# Altium PCB BMS_V2.1_Adv.PcbDoc (part 4 of 4)
Units mil, origin at the board's own origin, x right, y up, seen from the top; angles counter-clockwise.
Board outline 5905.51 x 5905.51 mil, 4 copper layers (Top Layer, PWR, GND, Bottom Layer), stack 23.756 mil thick; 313 components, 195 nets, 1044 pads, 1741 vias.
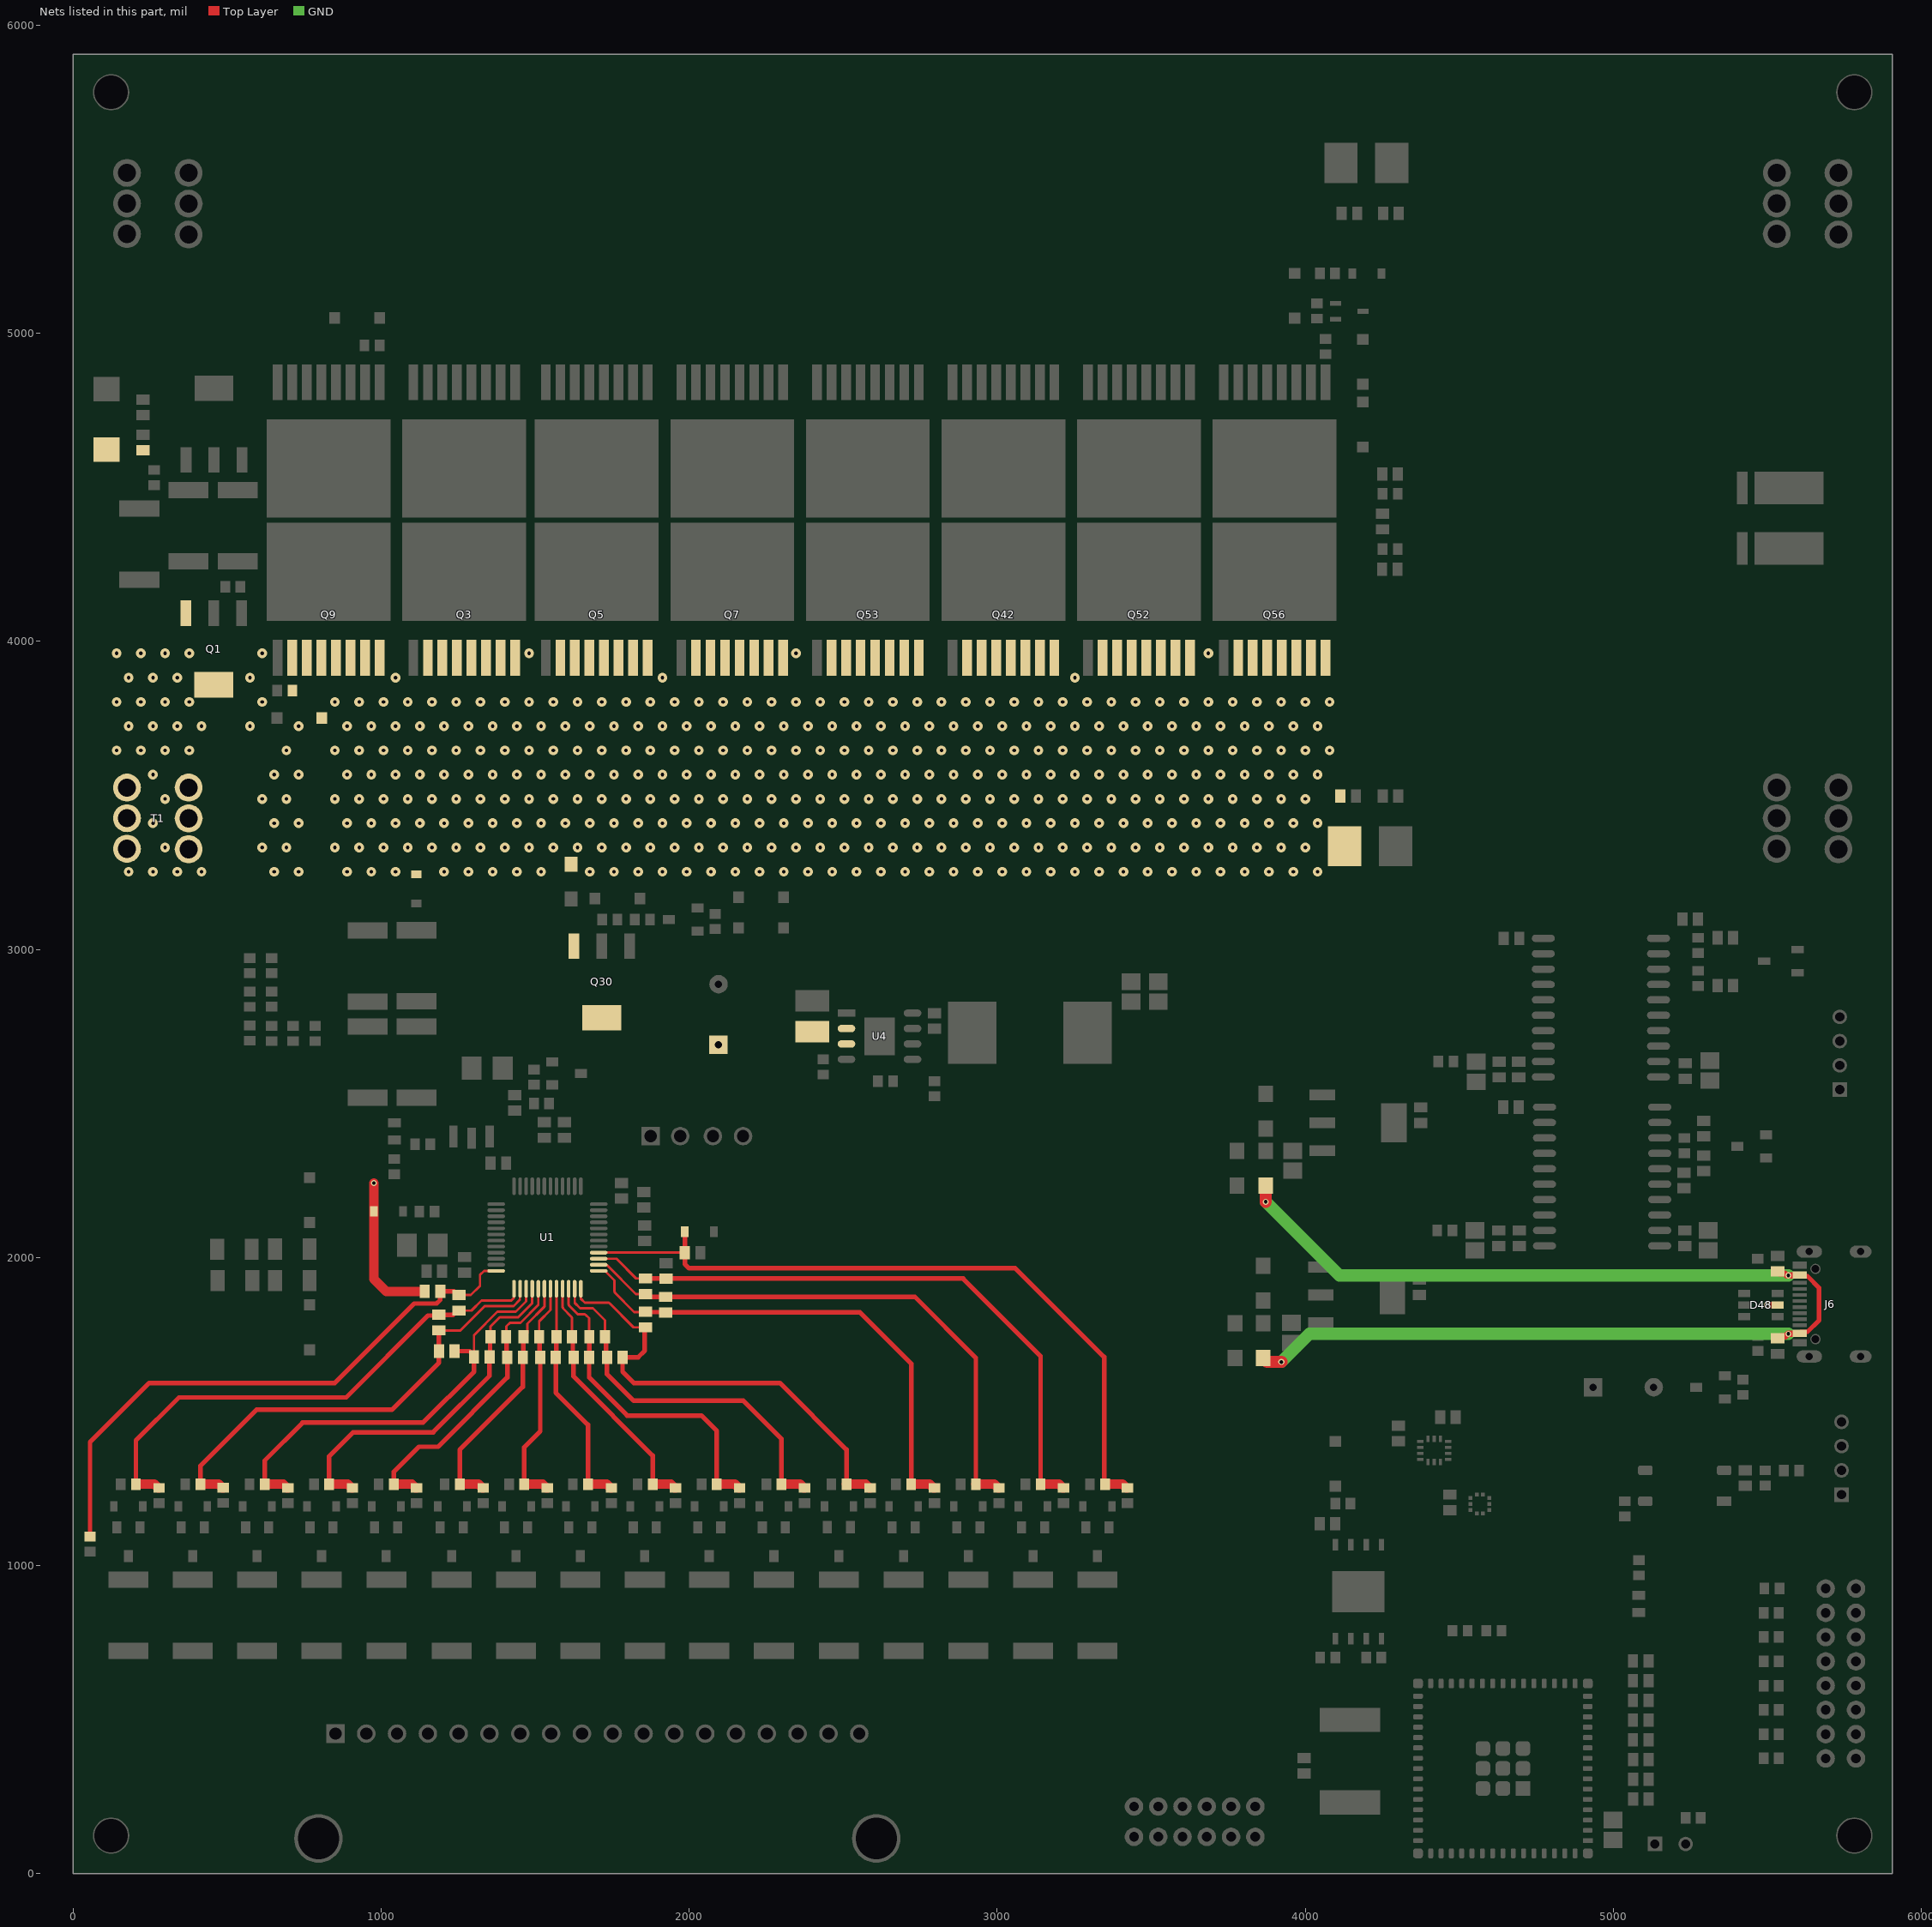
[diagram p6: the nets of this part, all layers, seen from the top]

## Via types
v1: diameter 31.5, hole 11.81, Top Layer to Bottom Layer, 1038 vias
v2: diameter 31.5/31.5/31.5/31.5 (per signal layer), hole 11.81, Top Layer to Bottom Layer, 513 vias
v3: diameter 19.68, hole 11.81, Top Layer to Bottom Layer, 172 vias
v4: diameter 19.68, hole 7.87, Top Layer to Bottom Layer, 18 vias

## Nets (pads, with @x,y where several pads share a name; then routed paths per layer and width w, separated by ;. In a path a pad name is that pad's centre, name@x,y a point inside that pad or via, vN(x,y) a via of type N, cw(c..) or ccw(c..) an arc to the next point about the centre after c; other vN are vias at no path point) (continued)
VBAT: C1.1 C3.2 C22.2 D1.1 D3.1 D4.2 D14.2 D17.2 D39.2 Q1.3 Q1.4 Q3.2 Q3.3 Q3.4 Q3.5 Q3.6 Q3.7 Q3.8 Q5.2 Q5.3 Q5.4 Q5.5 Q5.6 Q5.7 Q5.8 Q7.2 Q7.3 Q7.4 Q7.5 Q7.6 Q7.7 Q7.8 Q9.2 Q9.3 Q9.4 Q9.5 Q9.6 Q9.7 Q9.8 Q42.2 Q42.3 Q42.4 Q42.5 Q42.6 Q42.7 Q42.8 Q52.2 Q52.3 Q52.4 Q52.5 Q52.6 Q52.7 Q52.8 Q53.2 Q53.3 Q53.4 Q53.5 Q53.6 Q53.7 Q53.8 Q56.2 Q56.3 Q56.4 Q56.5 Q56.6 Q56.7 Q56.8 R6.1 T1.1 | length 493
  Top Layer w30: v3(976.76,2241.57) D17.2@976.76,2150 976.76,1930.24 1017,1890 C22.2@1141.8,1890
  other v1: 181.1,3251.97 259.84,3251.97 338.58,3251.97 417.32,3251.97 653.54,3251.97 732.28,3251.97 889.76,3251.97 968.51,3251.97 1047.25,3251.97 1204.73,3251.97 1283.47,3251.97 1362.21,3251.97 1440.95,3251.97 1519.69,3251.97 1677.17,3251.97 1755.91,3251.97 1834.65,3251.97 1913.39,3251.97 1992.13,3251.97 2070.87,3251.97 2149.61,3251.97 2228.35,3251.97 2307.09,3251.97 2385.83,3251.97 2464.57,3251.97 2543.31,3251.97 2622.05,3251.97 2700.79,3251.97 2779.53,3251.97 2858.27,3251.97 2937.01,3251.97 3015.75,3251.97 3094.49,3251.97 3173.23,3251.97 3251.97,3251.97 3330.71,3251.97 3409.45,3251.97 3488.19,3251.97 3566.93,3251.97 3645.67,3251.97 3724.41,3251.97 3803.15,3251.97 3881.89,3251.97 3960.63,3251.97 4039.37,3251.97 299.21,3330.71 614.17,3330.71 692.91,3330.71 850.39,3330.71 929.13,3330.71 1007.88,3330.71 1086.62,3330.71 1165.36,3330.71 1244.1,3330.71 1322.84,3330.71 1401.58,3330.71 1480.32,3330.71 1559.06,3330.71 1637.8,3330.71 1716.54,3330.71 1795.28,3330.71 1874.02,3330.71 1952.76,3330.71 2031.5,3330.71 2110.24,3330.71 2188.98,3330.71 2267.72,3330.71 2346.46,3330.71 2425.2,3330.71 2503.94,3330.71 2582.68,3330.71 2661.42,3330.71 2740.16,3330.71 2818.9,3330.71 2897.64,3330.71 2976.38,3330.71 3055.12,3330.71 3133.86,3330.71 3212.6,3330.71 3291.34,3330.71 3370.08,3330.71 3448.82,3330.71 3527.56,3330.71 3606.3,3330.71 3685.04,3330.71 3763.78,3330.71 3842.52,3330.71 3921.26,3330.71 4000,3330.71 259.84,3409.45 653.54,3409.45 732.28,3409.45 889.76,3409.45 968.51,3409.45 1047.25,3409.45 1125.99,3409.45 1204.73,3409.45 1283.47,3409.45 1362.21,3409.45 1440.95,3409.45 1519.69,3409.45 1598.43,3409.45 1677.17,3409.45 1755.91,3409.45 1834.65,3409.45 1913.39,3409.45 1992.13,3409.45 2070.87,3409.45 2149.61,3409.45 2228.35,3409.45 2307.09,3409.45 2385.83,3409.45 2464.57,3409.45 2543.31,3409.45 2622.05,3409.45 2700.79,3409.45 2779.53,3409.45 2858.27,3409.45 2937.01,3409.45 3015.75,3409.45 3094.49,3409.45 3173.23,3409.45 3251.97,3409.45 3330.71,3409.45 3409.45,3409.45 3488.19,3409.45 3566.93,3409.45 3645.67,3409.45 3724.41,3409.45 3803.15,3409.45 3881.89,3409.45 3960.63,3409.45 4039.37,3409.45 299.21,3488.19 614.17,3488.19 692.91,3488.19 850.39,3488.19 929.13,3488.19 1007.88,3488.19 1086.62,3488.19 1165.36,3488.19 1244.1,3488.19 1322.84,3488.19 1401.58,3488.19 1480.32,3488.19 1559.06,3488.19 1637.8,3488.19 1716.54,3488.19 1795.28,3488.19 1874.02,3488.19 1952.76,3488.19 2031.5,3488.19 2110.24,3488.19 2188.98,3488.19 2267.72,3488.19 2346.46,3488.19 2425.2,3488.19 2503.94,3488.19 2582.68,3488.19 2661.42,3488.19 2740.16,3488.19 2818.9,3488.19 2897.64,3488.19 2976.38,3488.19 3055.12,3488.19 3133.86,3488.19 3212.6,3488.19 3291.34,3488.19 3370.08,3488.19 3448.82,3488.19 3527.56,3488.19 3606.3,3488.19 3685.04,3488.19 3763.78,3488.19 3842.52,3488.19 3921.26,3488.19 4000,3488.19 259.84,3566.93 653.54,3566.93 732.28,3566.93 889.76,3566.93 968.51,3566.93 1047.25,3566.93 1125.99,3566.93 1204.73,3566.93 1283.47,3566.93 1362.21,3566.93 1440.95,3566.93 1519.69,3566.93 1598.43,3566.93 1677.17,3566.93 1755.91,3566.93 1834.65,3566.93 1913.39,3566.93 1992.13,3566.93 2070.87,3566.93 2149.61,3566.93 2228.35,3566.93 2307.09,3566.93 2385.83,3566.93 2464.57,3566.93 2543.31,3566.93 2622.05,3566.93 2700.79,3566.93 2779.53,3566.93 2858.27,3566.93 2937.01,3566.93 3015.75,3566.93 3094.49,3566.93 3173.23,3566.93 3251.97,3566.93 3330.71,3566.93 3409.45,3566.93 3488.19,3566.93 3566.93,3566.93 3645.67,3566.93 3724.41,3566.93 3803.15,3566.93 3881.89,3566.93 3960.63,3566.93 4039.37,3566.93 141.73,3645.67 220.47,3645.67 299.21,3645.67 377.95,3645.67 692.91,3645.67 850.39,3645.67 929.13,3645.67 1007.88,3645.67 1086.62,3645.67 1165.36,3645.67 1244.1,3645.67 1322.84,3645.67 1401.58,3645.67 1480.32,3645.67 1559.06,3645.67 1637.8,3645.67 1716.54,3645.67 1795.28,3645.67 1874.02,3645.67 1952.76,3645.67 2031.5,3645.67 2110.24,3645.67 2188.98,3645.67 2267.72,3645.67 2346.46,3645.67 2425.2,3645.67 2503.94,3645.67 2582.68,3645.67 2661.42,3645.67 2740.16,3645.67 2818.9,3645.67 2897.64,3645.67 2976.38,3645.67 3055.12,3645.67 3133.86,3645.67 3212.6,3645.67 3291.34,3645.67 3370.08,3645.67 3448.82,3645.67 3527.56,3645.67 3606.3,3645.67 3685.04,3645.67 3763.78,3645.67 3842.52,3645.67 3921.26,3645.67 4000,3645.67 4078.74,3645.67 181.1,3724.41 259.84,3724.41 338.58,3724.41 417.32,3724.41 574.8,3724.41 732.28,3724.41 889.76,3724.41 968.51,3724.41 1047.25,3724.41 1125.99,3724.41 1204.73,3724.41 1283.47,3724.41 1362.21,3724.41 1440.95,3724.41 1519.69,3724.41 1598.43,3724.41 1677.17,3724.41 1755.91,3724.41 1834.65,3724.41 1913.39,3724.41 1992.13,3724.41 2070.87,3724.41 2149.61,3724.41 2228.35,3724.41 2307.09,3724.41 2385.83,3724.41 2464.57,3724.41 2543.31,3724.41 2622.05,3724.41 2700.79,3724.41 2779.53,3724.41 2858.27,3724.41 2937.01,3724.41 3015.75,3724.41 3094.49,3724.41 3173.23,3724.41 3251.97,3724.41 3330.71,3724.41 3409.45,3724.41 3488.19,3724.41 3566.93,3724.41 3645.67,3724.41 3724.41,3724.41 3803.15,3724.41 3881.89,3724.41 3960.63,3724.41 4039.37,3724.41 141.73,3803.15 220.47,3803.15 299.21,3803.15 377.95,3803.15 614.17,3803.15 850.39,3803.15 929.13,3803.15 1007.88,3803.15 1086.62,3803.15 1165.36,3803.15 1244.1,3803.15 1322.84,3803.15 1401.58,3803.15 1480.32,3803.15 1559.06,3803.15 1637.8,3803.15 1716.54,3803.15 1795.28,3803.15 1874.02,3803.15 1952.76,3803.15 2031.5,3803.15 2110.24,3803.15 2188.98,3803.15 2267.72,3803.15 2346.46,3803.15 2425.2,3803.15 2503.94,3803.15 2582.68,3803.15 2661.42,3803.15 2740.16,3803.15 2818.9,3803.15 2897.64,3803.15 2976.38,3803.15 3055.12,3803.15 3133.86,3803.15 3212.6,3803.15 3291.34,3803.15 3370.08,3803.15 3448.82,3803.15 3527.56,3803.15 3606.3,3803.15 3685.04,3803.15 3763.78,3803.15 3842.52,3803.15 3921.26,3803.15 4000,3803.15 4078.74,3803.15 181.1,3881.89 259.84,3881.89 338.58,3881.89 574.8,3881.89 1047.25,3881.89 1913.39,3881.89 3251.97,3881.89 141.73,3960.63 220.47,3960.63 299.21,3960.63 377.95,3960.63 614.17,3960.63 1480.32,3960.63 2346.46,3960.63 3685.04,3960.63
VBAT_IN: C74.1 C75.2 Q30.3 Q30.4 U4.2 U4.3
VBUS: C85.2 C86.2 D48.5 D78.2 D81.2 J6.A4B9 J6.B4A9 | length 4054.4
  Top Layer w15: J6.A4B9@5604.43,1754.51 5608.74,1758.82 5629.38,1758.82 5667.26,1796.7 5667.26,1901.3 5629.38,1939.18 5608.75,1939.18 J6.B4A9@5604.44,1943.49
  Top Layer w20: v3(5498.11,1846) D48.5@5532.56,1846 ; C86.2@5532.56,1737.54 5537.68,1737.54 5544.21,1744.08 5557.83,1744.08 5566.21,1752.46 v3(5567.65,1752.46) 5567.89,1752.7 5602.61,1752.7 J6.A4B9@5604.43,1754.51 ; C85.2@5532.56,1954.79 5539.09,1948.26 5555.44,1948.26 5561.8,1941.9 v3(5567.65,1941.9) 5602.85,1941.9 J6.B4A9@5604.44,1943.49
  Top Layer w39.37: D78.2@3863,1674 3863,1671.44 3867.33,1667.11 3869.89,1667.11 3876,1661 v3(3922,1661) ; v3(3871,2181) D81.2@3871,2233.9
  GND w39.37: v3(3871,2181) 4110.1,1941.9 v3(5567.65,1941.9) ; v3(3922,1661) 4013.46,1752.46 v3(5567.65,1752.46)
VC0: C39.2 D30.1 R80.2 R81.2 U1.16 | length 2360.7
  Top Layer w8: U1.16@1706.34,2015.79 C39.2@1986.11,2015.79
  Top Layer w15: D30.1@1986.17,2083.16 C39.2@1986.17,2015.85 1986.17,1979.04 1999.81,1965.39 3058.61,1965.39 3347,1677 3347,1267.25 R81.2@3349.61,1264.65
  Top Layer w30: R81.2@3349.61,1264.65 3406.44,1264.65 3418.88,1252.2 R80.2@3421.83,1252.2
VC1: C37.1 C38.2 R77.2 R78.2 U1.15 | length 2060.6
  Top Layer w8: U1.15@1706.34,1996.1 1764.04,1996.1 1827.94,1932.2 C37.1@1858,1932.2
  Top Layer w15: C37.1@1858,1932.2 1858.33,1931.87 1924.67,1931.87 C38.2@1925,1931.54 2030.46,1931.54 2030.52,1931.6 2888.99,1931.6 3140.61,1679.99 R78.2@3140.61,1264.65
  Top Layer w30: R78.2@3140.61,1264.65 3200.09,1264.65 3212.53,1252.2 R77.2@3215.49,1252.2
VC2: C36.1 C37.2 R74.2 R75.2 U1.14 | length 1839.2
  Top Layer w8: U1.14@1706.34,1976.42 1707.07,1975.69 1732.4,1975.69 1733.36,1974.73 1734.38,1974.73 1827.44,1881.67 C37.2@1857.87,1881.67
  Top Layer w15: C37.2@1858,1881.8 1863.12,1881.8 1872.72,1872.2 C36.1@1924,1872.2 2732.8,1872.2 2930.61,1674.39 R75.2@2930.61,1264.65
  Top Layer w30: R75.2@2930.61,1264.65 2990.19,1264.65 3002.63,1252.2 R74.2@3005.58,1252.2
VC3: C35.1 C36.2 R71.2 R72.2 U1.13 | length 1633.1
  Top Layer w8: U1.13@1706.34,1956.73 1726.92,1956.73 1757.62,1926.03 1757.62,1889.6 1758.68,1888.55 1758.68,1886.05 1821.8,1822.93 C35.1@1857.03,1822.93
  Top Layer w15: C35.1@1857.03,1822.93 1857.11,1822.85 1922.95,1822.85 C36.2@1924,1821.8 2554.2,1821.8 2720.61,1655.39 R72.2@2720.61,1264.65
  Top Layer w30: R72.2@2720.61,1264.65 2780.52,1264.65 2792.97,1252.2 R71.2@2795.92,1252.2
VC4: C33.1 C35.2 R68.2 R69.2 U1.12 | length 1507.4
  Top Layer w8: U1.12@1648.27,1898.66 1648.27,1866.56 1661.06,1853.77 1738.69,1853.77 1740.75,1851.71 1741.25,1851.71 1819.46,1773.5 C35.2@1858,1773.5
  Top Layer w15: C35.2@1856,1771.5 1856,1697.65 1834.35,1676 C33.1@1783.88,1676 1783.88,1629.52 1820.39,1593 2294,1593 2510.61,1376.39 R69.2@2510.61,1264.65
  Top Layer w30: R69.2@2510.61,1264.65 2572.32,1264.65 2584.76,1252.2 R68.2@2587.71,1252.2
VC5: C31.1 C33.2 R65.2 R66.2 U1.11 | length 1226.3
  Top Layer w8: U1.11@1628.58,1898.66 1628.85,1898.4 1628.85,1852.96 1646.03,1835.77 1687.85,1835.77 1727.2,1796.43 1727.2,1743.82 C31.1@1726.38,1743
  Top Layer w15: C31.1@1726.38,1743 1729.93,1739.45 1729.93,1679.55 C33.2@1733.48,1676 1733.48,1621.52 1820,1535 2176,1535 2299.61,1411.39 R66.2@2299.61,1264.65
  Top Layer w30: R66.2@2299.61,1264.65 2359.64,1264.65 2372.08,1252.2 R65.2@2375.03,1252.2
VC6: C27.1 C31.2 R62.2 R63.2 U1.10 | length 1068.2
  Top Layer w8: U1.10@1608.9,1898.66 1608.9,1847.81 1609.96,1846.75 1609.96,1844.26 1638.45,1815.77 1661.8,1815.77 1663.85,1813.72 1664.35,1813.72 1675.1,1802.97 1675.1,1743.88 C31.2@1675.98,1743
  Top Layer w15: C31.2@1675.98,1743 1675.59,1742.61 1675.59,1676.39 C27.1@1675.2,1676 1675.2,1610.8 1799,1487 2040,1487 2089.61,1437.39 R63.2@2089.61,1264.65
  Top Layer w30: R63.2@2089.61,1264.65 2148.36,1264.65 2160.81,1252.2 R62.2@2163.76,1252.2
VC7: C25.1 C27.2 R58.2 R59.2 U1.9 | length 834.6
  Top Layer w8: U1.9@1589.21,1898.66 1589.21,1838.67 1590.27,1837.62 1590.27,1835.12 1619.14,1806.25 1619.14,1803.77 1620.2,1802.71 C25.1@1620.2,1743
  Top Layer w15: C25.1@1620.2,1743 1622.5,1740.7 1622.5,1678.3 C27.2@1624.8,1676 1624.8,1614.19 1881.78,1357.2 R59.2@1881.78,1264.65
  Top Layer w30: R59.2@1881.78,1264.65 1940.62,1264.65 1953.06,1252.2 R58.2@1956.02,1252.2
VC8: C23.1 C25.2 R54.2 R55.2 U1.8 | length 759.7
  Top Layer w8: U1.8@1569.53,1898.66 1569.53,1743.28 C25.2@1569.8,1743
  Top Layer w15: C25.2@1569.8,1743 1568.5,1741.7 1568.5,1677.3 C23.1@1567.2,1676 1567.2,1561.8 1671.61,1457.39 R55.2@1671.61,1264.65
  Top Layer w30: R55.2@1671.61,1264.65 1732.29,1264.65 1744.73,1252.2 R54.2@1747.68,1252.2
VC9: C21.1 C23.2 R51.2 R52.2 U1.7 | length 752.8
  Top Layer w8: C21.1@1513.2,1743 1513.27,1743.07 1513.27,1792.98 1549.84,1829.55 U1.7@1549.84,1898.66
  Top Layer w15: R52.2@1464.61,1264.65 1464.61,1384 1516.8,1436.2 C23.2@1516.8,1676 1515,1677.8 1515,1741.2 C21.1@1513.2,1743
  Top Layer w30: R52.2@1464.61,1264.65 1524.55,1264.65 1536.99,1252.2 R51.2@1539.94,1252.2
VC10: C16.1 C21.2 R48.2 R49.2 U1.6 | length 828.9
  Top Layer w8: C21.2@1462.8,1743 1474.92,1755.11 1474.92,1785.18 1530.16,1840.42 U1.6@1530.16,1898.66
  Top Layer w15: R49.2@1255.61,1264.65 1255.61,1375.61 1460.2,1580.2 C16.1@1460.2,1676 1461.5,1677.3 1461.5,1741.7 C21.2@1462.8,1743
  Top Layer w30: R49.2@1255.61,1264.65 1316.22,1264.65 1328.66,1252.2 R48.2@1331.61,1252.2
VC11: C15.1 C16.2 R43.2 R46.2 U1.5 | length 966.6
  Top Layer w8: C15.1@1406.2,1743 1407.14,1743.94 1407.14,1776.65 1418.76,1788.28 1452.56,1788.28 1510.35,1846.07 1510.35,1898.54 U1.5@1510.47,1898.66
  Top Layer w15: R46.2@1041.28,1264.65 1041.28,1304.28 1123,1386 1185,1386 1409.8,1610.8 C16.2@1409.8,1676 1408,1677.8 1408,1741.2 C15.1@1406.2,1743
  Top Layer w30: R46.2@1041.28,1264.65 1099.87,1264.65 1112.31,1252.2 R43.2@1115.27,1252.2
VC12: C13.1 C15.2 R40.2 R41.2 U1.4 | length 1174.9
  Top Layer w8: C15.2@1355.8,1743 1355.8,1776.65 1385.43,1806.28 1445.1,1806.28 1490.79,1851.96 U1.4@1490.79,1898.66
  Top Layer w15: R41.2@831.61,1264.65 831.61,1355.23 909.38,1433 1169.01,1433 1352.2,1616.18 C13.1@1352.2,1677 1354,1678.8 1354,1741.2 C15.2@1355.8,1743
  Top Layer w30: R41.2@831.61,1264.65 891.87,1264.65 904.31,1252.2 R40.2@907.26,1252.2
VC13: C12.1 C13.2 R34.2 R35.2 U1.3 | length 1404
  Top Layer w8: C13.2@1301.8,1677 1301.8,1748.11 1377.97,1824.28 1437.64,1824.28 1471.1,1857.73 U1.3@1471.1,1898.66
  Top Layer w15: R35.2@622.61,1264.65 622.61,1341.17 745.44,1464 1136.01,1464 1301.8,1629.79 C13.2@1301.8,1677 1301.8,1682.12 1287.67,1696.25 C12.1@1238.64,1696.25
  Top Layer w30: R35.2@622.61,1264.65 682.74,1264.65 695.18,1252.2 R34.2@698.14,1252.2
VC14: C11.1 C12.2 R29.2 R30.2 U1.2 | length 1496.1
  Top Layer w8: C11.1@1189,1762.8 1257.12,1762.8 1336.59,1842.28 1430.19,1842.28 1450.69,1862.78 1450.69,1897.93 U1.2@1451.42,1898.66
  Top Layer w15: R30.2@413.61,1264.65 413.61,1323.61 596,1506 1035.35,1506 1188.12,1658.77 1188.12,1763.68 C11.1@1188,1763.8
  Top Layer w30: R30.2@413.61,1264.65 473.01,1264.65 485.05,1252.61 R29.2@488,1252.61
VC15: C10.1 C11.2 R26.2 R27.2 U1.1 | length 1669.9
  Top Layer w8: C10.1@1253,1827.8 1293.22,1827.8 1325.69,1860.28 1422.73,1860.28 1431,1868.55 1431,1897.93 U1.1@1431.73,1898.66
  Top Layer w15: R27.2@204.61,1264.65 204.61,1406.25 344.35,1546 887,1546 1152.63,1811.63 1185.44,1811.63 C11.2@1188,1814.2 1234.28,1814.2 1247.88,1827.8 C10.1@1253,1827.8
  Top Layer w30: R27.2@204.61,1264.65 264.44,1264.65 276.63,1252.45 R26.2@279.58,1252.45
VC16: C10.2 C22.1 R24.2 U1.48 | length 1901.4
  Top Layer w8: C10.2@1253,1878.2 1291.5,1878.2 1321.37,1908.07 1321.37,1944.06 1334.04,1956.73 U1.48@1373.66,1956.73
  Top Layer w15: R24.2@55.65,1094.61 55.65,1400.65 248,1593 850,1593 1107.55,1850.55 1180.23,1850.55 1192.2,1862.51 C22.1@1192.2,1890 1236.08,1890 1247.88,1878.2 C10.2@1253,1878.2
pads on no net: J6.A8 J6.B8 J6.X@5615.43,1694 J6.X@5630.43,2014 J12.X MT1.1 MT2.1 MT3.1 MT4.1 U1.19 U1.22 U1.38 U1.44 U2.7 U2.13 U2.14 U3.2 U3.7 U3.14 U4.6 U11.1 U11.10 U11.11

## Polygon pours and split planes (outlines as drawn)
NetQ2_2 on Top Layer "NONET_L-01_P-001" (solid, pour order 71): 602.5,4411.34 591.1,4399.93 149.33,4399.93 143.46,4405.8 143.46,4481.54 186.04,4524.12 414.18,4524.12 438.34,4548.28 438.34,4628.25 442.25,4632.17 480.85,4632.17 487.7,4625.31 487.7,4531.54 495.81,4523.44 595.75,4523.44 602.5,4516.69
GND on Top Layer "NONET_L-01_P-001" (solid, remove dead copper, pour order 146): 4284,4330 4316,4362 5772,4362 5872,4262 5872,386 5524.31,38.31 435.69,38.31 25,449 25,2716 365,3056 4141.69,3056 4238.54,3152.86 4238.54,3405.66 4284,3451.12
5V on Top Layer "NONET_L-01_P-001" (solid, pour order 111): 4370.17,2154.83 4370.17,2111.17 4412.04,2069.3 4443.54,2069.3 4443.54,2405.65 4395.65,2453.54 4344.47,2453.54 4328.62,2469.39 4328.62,2594.05 4351.88,2617.3 4447.14,2617.3 4447.14,2654.7 4419.84,2682 4281.79,2682 4249.56,2649.76 4249.56,2509.63 4208.52,2468.59 4007.06,2468.59 3996.04,2457.58 3996.04,2421.43 4008.63,2408.84 4116.16,2408.84
Pack+ve on Top Layer "PACK+VE_L01_P003" (solid, pour order 3): 4047.13,5070.57 4012.97,5070.57 3930.57,5152.97 3930.57,5238.36 3967.3,5275.08 4049.83,5274.85 4134,5359.47 4134,5451.46 4169.46,5486.91 4169.46,5638.14 4160.6,5647 114,5647 42,5575 42,4801 76.74,4766.26 408.78,4766.26 524.63,4650.41 524.63,4550.41 530.14,4544.9 567.9,4544.9 573.84,4550.84 573.42,4551.26 573.42,4741.95 606.96,4773.88 4025.73,4773.88 4033.86,4782.01 4033.86,5003.12 4058.15,5027.41 4116,5027.41 4129.78,5041.19 4129.78,5059.59 4118.79,5070.57
VBAT on Top Layer "VBAT_L01_P001" (solid, pour order 1): 209.33,4596.75 251.72,4596.75 257.46,4602.48 257.46,4637.1 253.57,4640.99 192.01,4640.99 158,4675 53,4675 37.64,4659.64 37.64,3265.36 79,3224 4161,3224 4181.46,3244.46 4181.46,3399.96 4134,3447.42 4134,3994 4118.03,4009.97 423.78,4009.97 384.09,4049.66 384.09,4132.34 374.24,4142.18 132.63,4142.18 119.14,4155.68 119.14,4506.56
CAN_GND on Top Layer "NONET_L-01_P-001" (solid, pour order 84): 5115.52,2774.19 5092.86,2796.86 5092.86,2886 5104.67,2897.81 5182.04,2897.81 5225.03,2854.82 5365.13,2854.82 5371.66,2861.35 5371.66,2904.65 5404.73,2904.65 5404.73,2802.54 5376.39,2774.19
5V_RS485 on Top Layer "NONET_L-01_P-001" (solid, pour order 82): 5196.26,2118.73 5196.26,2158.11 5208.92,2170.77 5337.17,2170.77 5350.38,2157.56 5350.38,2067.02 5344.79,2061.43 5276.14,2061.43 5267.94,2069.62 5117.34,2069.62 5112.61,2074.36 5112.61,2097.95 5119.69,2105.03 5182.56,2105.03
GND on Top Layer "NONET_L-01_P-001" (solid, pour order 76): 4393.47,1470.91 4393.47,1455.96 4422.92,1426.51 4422.92,1400.57 4396.73,1400.57 4393.39,1403.91 4393.39,1418.29 4375.33,1436.35 4277.23,1436.35 4272.65,1440.93 4272.65,1563.65 4306,1597 4511,1597 4556.16,1551.84 4556.16,1394.39 4521,1359.24 4452.45,1359.24 4452.45,1408.45 4471.54,1427.54 4471.54,1503.55 4455.09,1520 4408,1520 4393.47,1505.47
GND on Top Layer "NONET_L-01_P-001" (solid, pour order 80): 4356.31,2598.01 4352.35,2594.05 4352.35,2470.86 4356.86,2466.35 4400.17,2466.35 4656.77,2466.35 4656.77,2542.88 4662.12,2548.24 4803.37,2548.24 4808.64,2553.5 4808.64,2592.25 4802.89,2598.01
3.3V on Top Layer "NONET_L-01_P-001" (solid, pour order 143): 3997,786.84 4063.54,720.3 4063.54,677.54 3982,596 3815,596 3697,714 3697,1295.13 4144.93,1743.06 4144.93,1817.41 4101.59,1860.76 4008.69,1860.76 3998.84,1870.6 3998.84,1893.34 4012.5,1907 4120,1907 4166,1953 4312.11,1953 4333.49,1931.62 4333.49,1903.67 4342.15,1895.01 4578.63,1895.01 4658.34,1815.3 4658.34,1336.6 4610.98,1336.6 4603.11,1344.47 4603.11,1546.89 4536.27,1613.73 4260.73,1613.73 4229.1,1582.1 4229.1,1462.9 4271.94,1420.06 4323.65,1420.06 4330,1413.72 4330,1388 4327.95,1385.95 4078.3,1385.95 3997,1304.65